# KiCad board kup-lulz.kicad_pcb
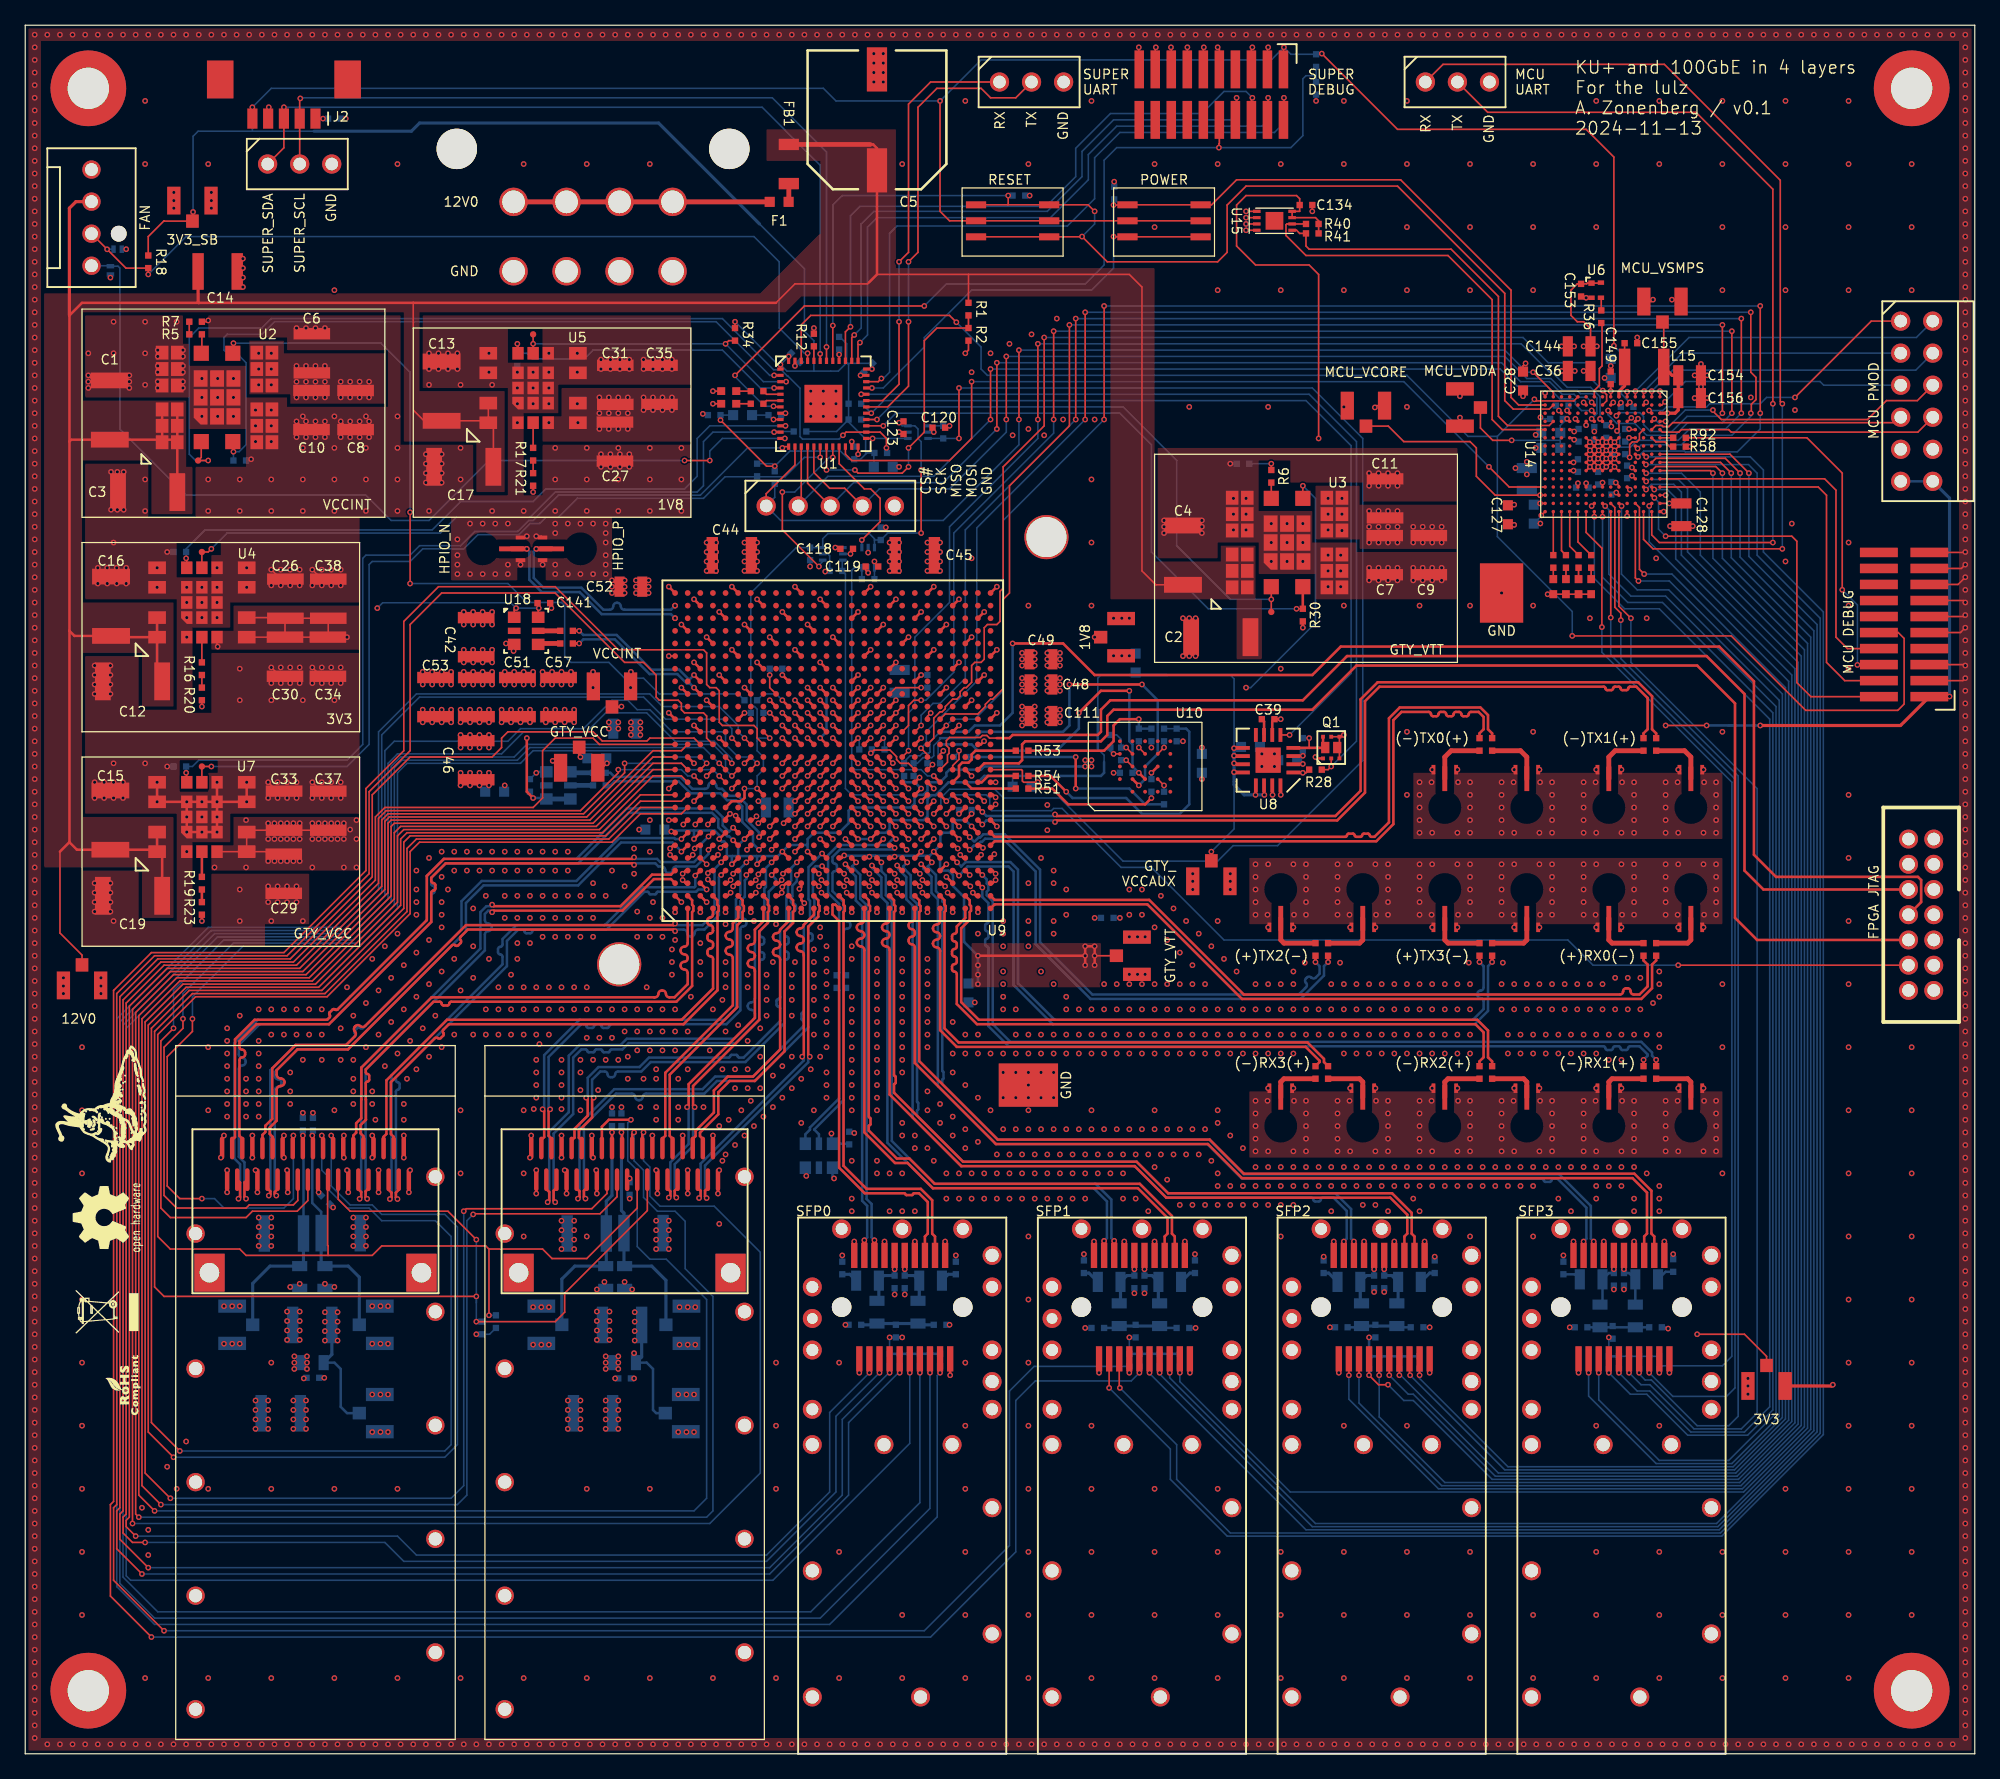
[diagram p0: board, top side]
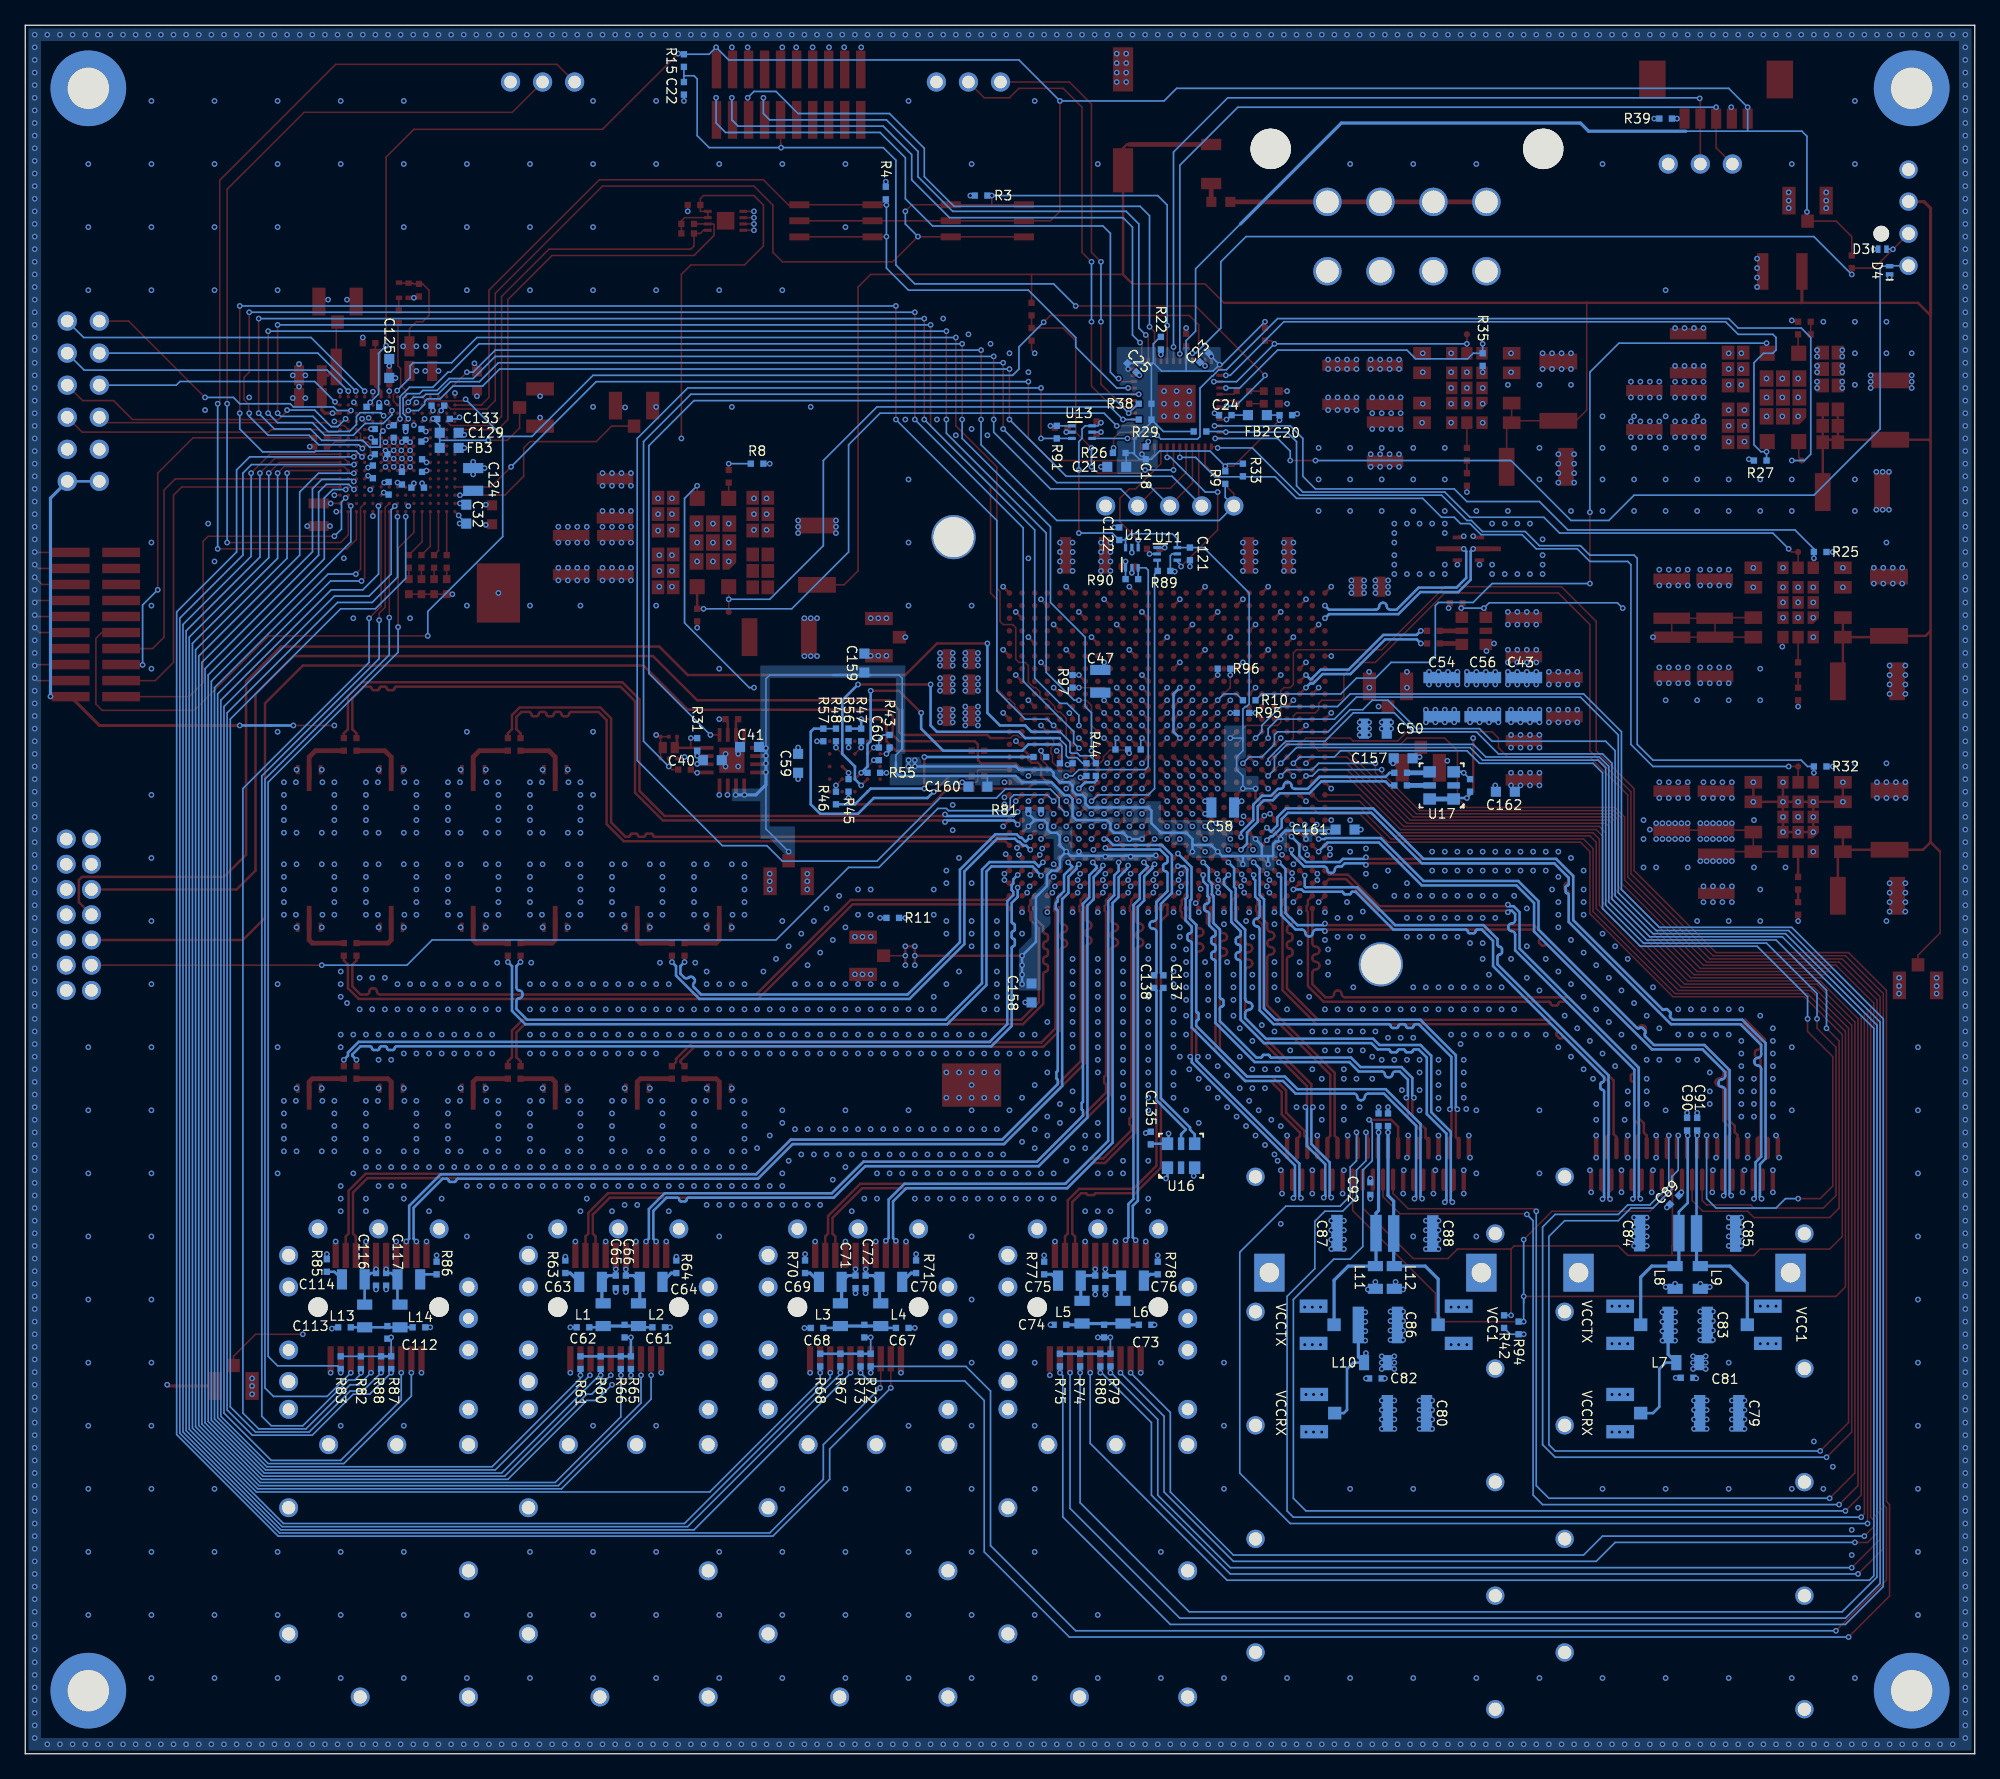
[diagram p1: board, bottom side, seen from below]

Outline 154.5 x 137 mm; copper layers: Top, In1.Cu, In2.Cu, Bottom. Coordinates in mm from the lower left corner of the outline.
Outline path: 0,137 0,0 154.5,0 154.5,137 0,137
Stack: Top 0.035mm / dielectric 0.48mm FR4 er 4.5 / In1.Cu 0.035mm / dielectric 0.48mm FR4 er 4.5 / In2.Cu 0.035mm / dielectric 0.48mm FR4 er 4.5 / Bottom 0.035mm

## Placement (name value [footprint] x y rotation side)
C1  22 uF 25V  [EIA_1812_CAP_NOSILK]  6.7 106.5 90 top
C2  22 uF 25V  [EIA_1812_CAP_NOSILK]  94.75 88.5 180 top
C3  22 uF 25V  [EIA_1812_CAP_NOSILK]  9.7 100 180 top
C4  22 uF 25V  [EIA_1812_CAP_NOSILK]  91.75 95 90 top
C5  25SVPF330M  [CAP_AL_10MM_SMT]  67.5 129.5 180 top
C6  220 uF  [EIA_1210_CAP_NOSILK]  22.7 111 90 top
C7  220 uF  [EIA_1210_CAP_NOSILK]  107.75 95 270 top
C8  220 uF  [EIA_1210_CAP_NOSILK]  26.2 106.5 270 top
C9  220 uF  [EIA_1210_CAP_NOSILK]  111.25 95 270 top
C10  220 uF  [EIA_1210_CAP_NOSILK]  22.7 106.5 270 top
C11  220 uF  [EIA_1210_CAP_NOSILK]  107.75 99.5 90 top
C12  22 uF 25V  [EIA_1812_CAP_NOSILK]  8.5 85 180 top
C13  22 uF 25V  [EIA_1812_CAP_NOSILK]  33 108 90 top
C14  10 uF 25V  [EIA_1210_CAP_NOSILK]  15.25 117.5 0 top
C15  22 uF 25V  [EIA_1812_CAP_NOSILK]  6.75 74 90 top
C16  22 uF 25V  [EIA_1812_CAP_NOSILK]  6.8 90.95 90 top
C17  22 uF 25V  [EIA_1812_CAP_NOSILK]  34.75 102 180 top
C18  0.47 uF  [EIA_0402_CAP_NOSILK]  65.7 103.1 90 bottom
C19  22 uF 25V  [EIA_1812_CAP_NOSILK]  8.5 68 180 top
C20  0.47 uF  [EIA_0402_CAP_NOSILK]  54.6 106.1 180 bottom
C21  4.7 uF  [EIA_0603_CAP_NOSILK]  68 102 0 bottom
C22  0.1 uF  [EIA_0402_CAP_NOSILK]  102.3 132 270 bottom
C23  0.47 uF  [EIA_0402_CAP_NOSILK]  61.05 110.65 315 bottom
C24  0.47 uF  [EIA_0402_CAP_NOSILK]  59.4 106.1 0 bottom
C25  0.47 uF  [EIA_0402_CAP_NOSILK]  66.8 109.85 225 bottom
C26  100 uF  [EIA_1210_CAP_NOSILK]  20.6 91.55 90 top
C27  220 uF  [EIA_1210_CAP_NOSILK]  46.75 104 270 top
C28  4.7 uF  [EIA_0603_CAP_NOSILK]  118.7 108.8 90 top
C29  220 uF  [EIA_1210_CAP_NOSILK]  20.5 69.75 270 top
C30  100 uF  [EIA_1210_CAP_NOSILK]  20.6 86.95 270 top
C31  220 uF  [EIA_1210_CAP_NOSILK]  46.75 108.5 90 top
C32  4.7 uF  [EIA_0603_CAP_NOSILK]  119.55 98.25 270 bottom
C33  220 uF  [EIA_1210_CAP_NOSILK]  20.5 74.75 90 top
C34  100 uF  [EIA_1210_CAP_NOSILK]  24 86.95 270 top
C35  DNP  [EIA_1210_CAP_NOSILK]  50.25 108.5 90 top
C36  10 uF  [EIA_0805_CAP_NOSILK]  123.15 109.6 180 top
C37  DNP  [EIA_1210_CAP_NOSILK]  24 74.75 90 top
C38  100 uF  [EIA_1210_CAP_NOSILK]  24 91.55 90 top
C39  DNP  [EIA_0402_CAP_NOSILK]  98.5 82 0 top
C40  4.7 uF  [EIA_0603_CAP_NOSILK]  100.05 78.75 180 bottom
C41  4.7 uF  [EIA_0603_CAP_NOSILK]  97.1 79.8 0 bottom
C42  330 uF  [EIA_1210_CAP_NOSILK]  35.75 88.5 270 top
C43  47 uF  [EIA_1210_CAP_NOSILK]  35.75 83.75 90 bottom
C44  47 uF  [EIA_1210_CAP_NOSILK]  56 95 0 top
C45  47 uF  [EIA_1210_CAP_NOSILK]  70.5 95 0 top
C46  47 uF  [EIA_1210_CAP_NOSILK]  35.75 78.75 270 top
C47  10 uF  [EIA_0805_CAP_NOSILK]  69.3 85 90 bottom
C48  10 uF  [EIA_0805_CAP_NOSILK]  80.5 84.75 0 top
C49  10 uF  [EIA_0805_CAP_NOSILK]  80.5 86.75 0 top
C50  10 uF  [EIA_0805_CAP_NOSILK]  47.5 81.25 180 bottom
C51  100 uF  [EIA_1210_CAP_NOSILK]  39 83.75 90 top
C52  10 uF  [EIA_0805_CAP_NOSILK]  48 92.5 180 top
C53  100 uF  [EIA_1210_CAP_NOSILK]  32.5 83.75 90 top
C54  100 uF  [EIA_1210_CAP_NOSILK]  42.25 83.75 90 bottom
C55  100 uF  [EIA_1210_CAP_NOSILK]  35.75 83.75 90 top
C56  100 uF  [EIA_1210_CAP_NOSILK]  39 83.75 90 bottom
C57  47 uF  [EIA_1210_CAP_NOSILK]  42.25 83.75 90 top
C58  10 uF  [EIA_0805_CAP_NOSILK]  59.6 75 180 bottom
C59  4.7 uF  [EIA_0603_CAP_NOSILK]  93.25 78.5 270 bottom
C60  0.47 uF  [EIA_0402_CAP_NOSILK]  86.85 79.25 270 bottom
C61  0.1 uF  [EIA_0402_CAP_NOSILK]  104.3 33.8 180 bottom
C62  0.1 uF  [EIA_0402_CAP_NOSILK]  110.3 33.8 0 bottom
C63  22 uF  [EIA_0805_CAP_NOSILK]  109.7 37.4 0 bottom
C64  22 uF  [EIA_0805_CAP_NOSILK]  104.9 37.4 180 bottom
C65  0.1 uF  [EIA_0402_CAP_NOSILK]  107.7 37.4 270 bottom
C66  0.1 uF  [EIA_0402_CAP_NOSILK]  106.9 37.4 270 bottom
C67  0.1 uF  [EIA_0402_CAP_NOSILK]  85 33.75 180 bottom
C68  0.1 uF  [EIA_0402_CAP_NOSILK]  91.75 33.75 0 bottom
C69  22 uF  [EIA_0805_CAP_NOSILK]  90.7 37.4 0 bottom
C70  22 uF  [EIA_0805_CAP_NOSILK]  85.9 37.4 180 bottom
C71  0.1 uF  [EIA_0402_CAP_NOSILK]  88.7 37.4 270 bottom
C72  0.1 uF  [EIA_0402_CAP_NOSILK]  87.9 37.4 270 bottom
C73  0.1 uF  [EIA_0402_CAP_NOSILK]  65.75 34 180 bottom
C74  0.1 uF  [EIA_0402_CAP_NOSILK]  72.5 34 0 bottom
C75  22 uF  [EIA_0805_CAP_NOSILK]  71.75 37.5 0 bottom
C76  22 uF  [EIA_0805_CAP_NOSILK]  66.75 37.5 180 bottom
C77  0.1 uF  [EIA_0402_CAP_NOSILK]  69.7 37.4 270 bottom
C78  0.1 uF  [EIA_0402_CAP_NOSILK]  68.9 37.4 270 bottom
C79  22 uF  [EIA_1210_CAP_NOSILK]  20.25 27 180 bottom
C80  22 uF  [EIA_1210_CAP_NOSILK]  45 27 180 bottom
C81  0.1 uF  [EIA_0402_CAP_NOSILK]  22.8 29.8 0 bottom
C82  0.1 uF  [EIA_0402_CAP_NOSILK]  47.5 29.75 0 bottom
C83  22 uF  [EIA_1210_CAP_NOSILK]  22.75 34 180 bottom
C84  22 uF  [EIA_1210_CAP_NOSILK]  25 41.25 0 bottom
C85  22 uF  [EIA_1210_CAP_NOSILK]  20.5 41.25 180 bottom
C86  22 uF  [EIA_1210_CAP_NOSILK]  47.3 34 180 bottom
C87  22 uF  [EIA_1210_CAP_NOSILK]  49 41.25 0 bottom
C88  22 uF  [EIA_1210_CAP_NOSILK]  44.5 41.25 180 bottom
C89  0.1 uF  [EIA_0402_CAP_NOSILK]  23.8 43.9 315 bottom
C90  0.1 uF  [EIA_0402_CAP_NOSILK]  22.8 49.9 90 bottom
C91  0.1 uF  [EIA_0402_CAP_NOSILK]  22 49.9 90 bottom
C92  0.1 uF  [EIA_0402_CAP_NOSILK]  47.9 44.8 270 bottom
C93  0.1 uF  [EIA_0402_CAP_NOSILK]  47.25 50.25 90 bottom
C94  0.1 uF  [EIA_0402_CAP_NOSILK]  46.5 50.25 90 bottom
C95  0.1 uF  [EIA_0402_CAP_NOSILK]  129.25 63.75 270 top
C96  0.1 uF  [EIA_0402_CAP_NOSILK]  128.25 63.75 270 top
C97  0.1 uF  [EIA_0402_CAP_NOSILK]  129.25 54 90 top
C98  0.1 uF  [EIA_0402_CAP_NOSILK]  128.25 54 90 top
C99  0.1 uF  [EIA_0402_CAP_NOSILK]  116.25 54 90 top
C100  0.1 uF  [EIA_0402_CAP_NOSILK]  115.25 54 90 top
C101  0.1 uF  [EIA_0402_CAP_NOSILK]  103.25 54 90 top
C102  0.1 uF  [EIA_0402_CAP_NOSILK]  102.25 54 90 top
C103  0.1 uF  [EIA_0402_CAP_NOSILK]  115.25 80 90 top
C104  0.1 uF  [EIA_0402_CAP_NOSILK]  116.25 80 90 top
C105  0.1 uF  [EIA_0402_CAP_NOSILK]  128.25 80 90 top
C106  0.1 uF  [EIA_0402_CAP_NOSILK]  129.25 80 90 top
C107  0.1 uF  [EIA_0402_CAP_NOSILK]  103.25 63.75 270 top
C108  0.1 uF  [EIA_0402_CAP_NOSILK]  102.25 63.75 270 top
C109  0.1 uF  [EIA_0402_CAP_NOSILK]  116.25 63.75 270 top
C110  0.1 uF  [EIA_0402_CAP_NOSILK]  115.25 63.75 270 top
C111  10 uF  [EIA_0805_CAP_NOSILK]  80.5 82.25 0 top
C112  0.1 uF  [EIA_0402_CAP_NOSILK]  123.3 33.8 180 bottom
C113  0.1 uF  [EIA_0402_CAP_NOSILK]  129.2 33.8 0 bottom
C114  22 uF  [EIA_0805_CAP_NOSILK]  128.5 37.6 0 bottom
C115  22 uF  [EIA_0805_CAP_NOSILK]  124.1 37.6 180 bottom
C116  0.1 uF  [EIA_0402_CAP_NOSILK]  126.7 37.6 270 bottom
C117  0.1 uF  [EIA_0402_CAP_NOSILK]  125.9 37.6 270 bottom
C118  0.47 uF  [EIA_0402_CAP_NOSILK]  65.1 95.5 0 top
C119  0.47 uF  [EIA_0402_CAP_NOSILK]  67.1 94.1 180 top
C120  0.47 uF  [EIA_0402_CAP_NOSILK]  72.4 105.1 180 top
C121  0.47 uF  [EIA_0402_CAP_NOSILK]  62.2 95.1 270 bottom
C122  0.47 uF  [EIA_0402_CAP_NOSILK]  67.8 96.7 90 bottom
C123  0.47 uF  [EIA_0402_CAP_NOSILK]  69.6 105.1 270 top
C124  2.2 uF  [EIA_0805_CAP_NOSILK]  119 101 90 bottom
C125  4.7 uF  [EIA_0603_CAP_NOSILK]  125.65 109.8 90 bottom
C126  0.47 uF  [EIA_0402_CAP_NOSILK]  126.95 106.75 180 bottom
C127  4.7 uF  [EIA_0603_CAP_NOSILK]  117.5 98.2 90 top
C128  2.2 uF  [EIA_0805_CAP_NOSILK]  131.25 98.2 270 top
C129  4.7 uF  [EIA_0603_CAP_NOSILK]  120.9 104.7 180 bottom
C130  0.47 uF  [EIA_0402_CAP_NOSILK]  123.1 104.5 270 bottom
C131  0.47 uF  [EIA_0402_CAP_NOSILK]  125.3 104.8 270 bottom
C132  0.47 uF  [EIA_0402_CAP_NOSILK]  124.35 104.65 90 bottom
C133  0.47 uF  [EIA_0402_CAP_NOSILK]  121.35 105.8 180 bottom
C134  0.47 uF  [EIA_0402_CAP_NOSILK]  101.5 122.75 0 top
C135  0.47 uF  [EIA_0402_CAP_NOSILK]  65.3 48.8 90 bottom
C136  0.47 uF  [EIA_0402_CAP_NOSILK]  40 76.75 90 bottom
C137  0.1 uF  [EIA_0402_CAP_NOSILK]  64.3 61.2 90 bottom
C138  0.1 uF  [EIA_0402_CAP_NOSILK]  65.05 61.2 90 bottom
C139  0.1 uF  [EIA_0402_CAP_NOSILK]  45.5 77.75 0 bottom
C140  0.1 uF  [EIA_0402_CAP_NOSILK]  45.5 76.75 0 bottom
C141  0.47 uF  [EIA_0402_CAP_NOSILK]  41.1 91.2 0 top
C142  0.1 uF  [EIA_0402_CAP_NOSILK]  42.9 88 0 top
C143  0.1 uF  [EIA_0402_CAP_NOSILK]  42.9 89 0 top
C144  22 uF  [EIA_0805_CAP_NOSILK]  123.15 111.55 180 top
C145  0.47 uF  [EIA_0402_CAP_NOSILK]  123.05 102.1 270 bottom
C146  0.47 uF  [EIA_0402_CAP_NOSILK]  126.95 101.6 270 bottom
C147  0.47 uF  [EIA_0402_CAP_NOSILK]  124.65 101.1 90 bottom
C148  0.47 uF  [EIA_0402_CAP_NOSILK]  126.8 104.5 90 bottom
C149  0.47 uF  [EIA_0402_CAP_NOSILK]  125.65 109.05 90 top
C150  0.47 uF  [EIA_0402_CAP_NOSILK]  121.8 106.85 0 bottom